# Altium PCB 主控板20160428.PcbDoc (part 4 of 4) (continued)
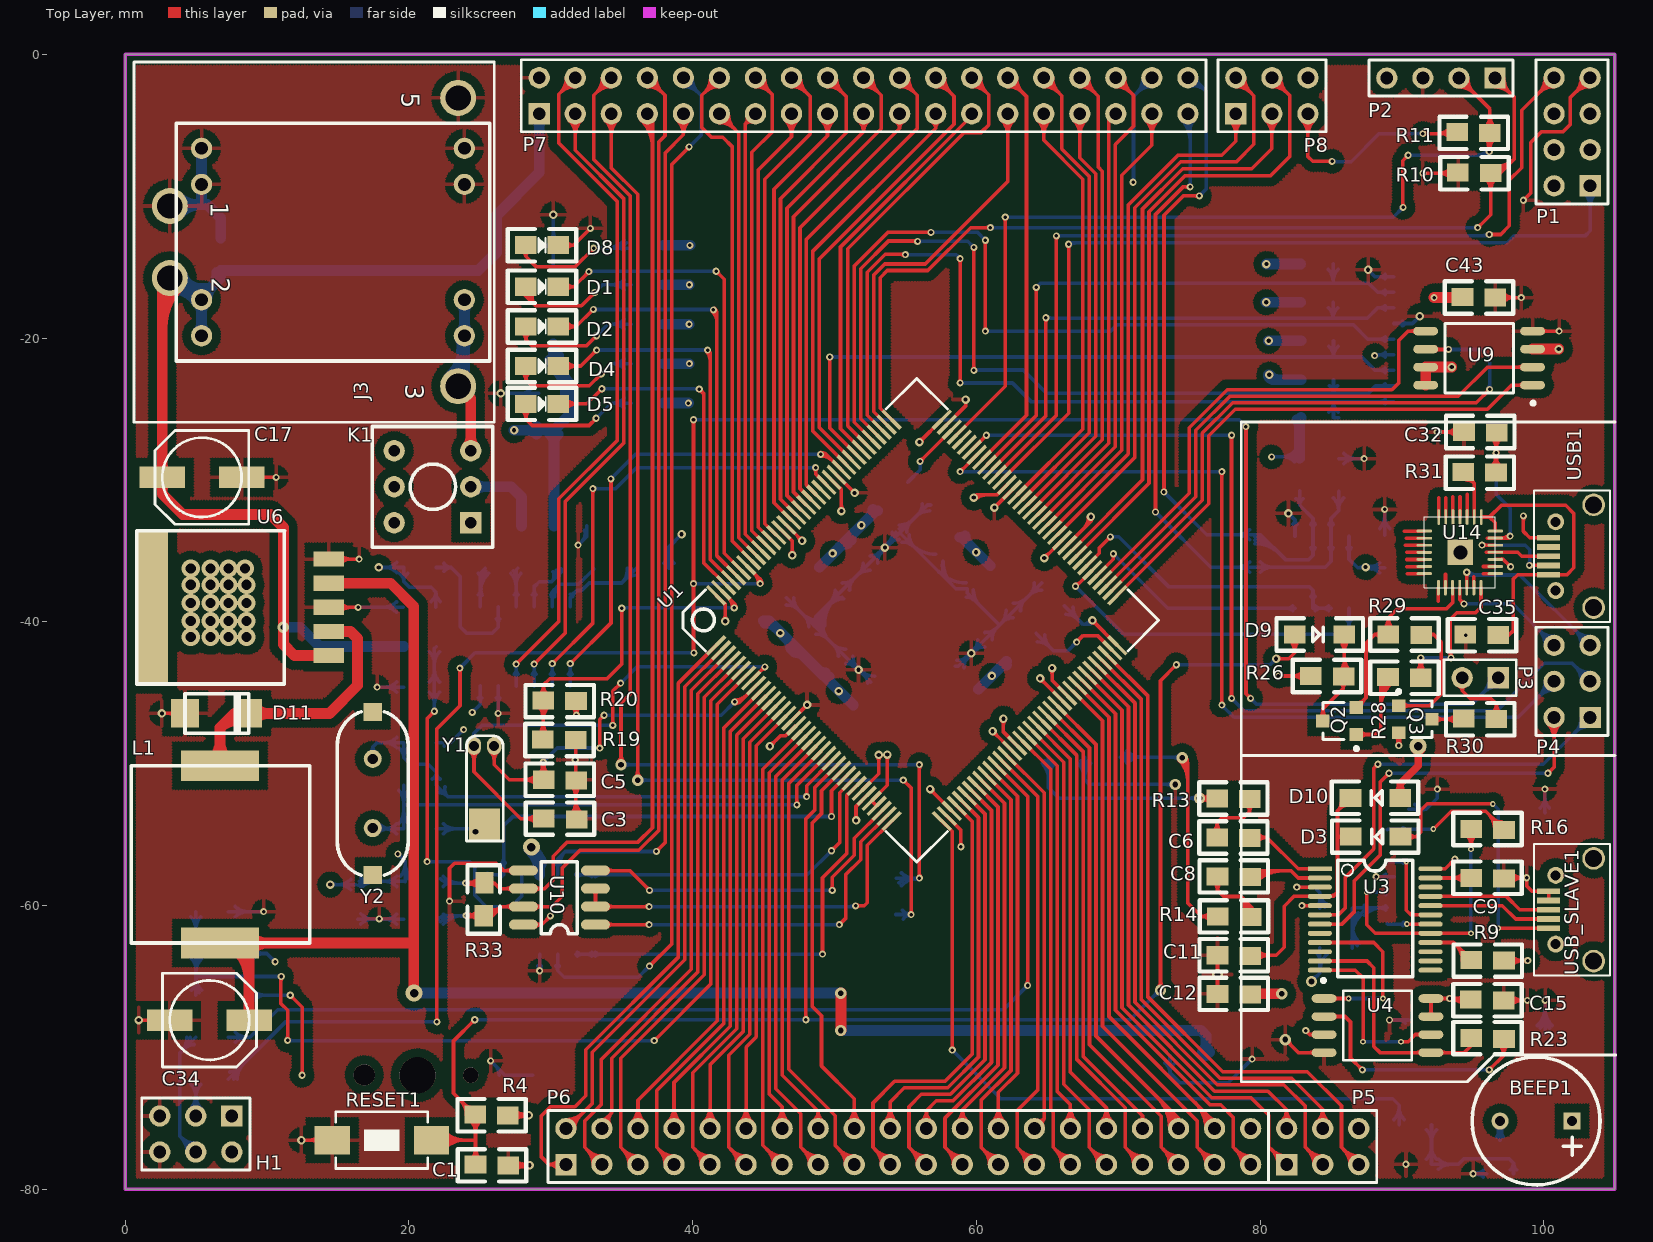
[diagram p0: Top Layer view]
## Nets (pads, with @x,y where several pads share a name; then routed paths per layer and width w, separated by ;. In a path a pad name is that pad's centre, name@x,y a point inside that pad or via, vN(x,y) a via of type N, cw(c..) or ccw(c..) an arc to the next point about the centre after c; other vN are vias at no path point) (continued)
USB+: U3.21 USB_SLAVE1.3 | length 8.7
  Top Layer w0.254: U3.21@92.001,-59.354 96.692,-59.354 97.352,-59.354 98.291,-60.292 USB_SLAVE1.3@100.322,-60.292
USB-: U3.20 USB_SLAVE1.2 | length 8.7
  Top Layer w0.254: U3.20@92.001,-60.004 97.063,-60.004 98.001,-60.942 USB_SLAVE1.2@100.322,-60.942
V33: C12.1 C15.1 R9.2 R15.2 U3.3 U4.3 U4.7 U4.8 | length 26.5
  Top Layer w0.254: v1@82.575,-58.704 U3.3@84.201,-58.704 ; v1@82.662,-58.786 cw(c82.861,-58.985) 82.861,-58.704 ; v1@82.662,-58.612 ccw(c82.883,-58.391) 82.883,-58.704 ; v1@83.185,-68.783 83.49,-69.088 U4.3@84.497,-69.088 ; v1@83.21,-68.932 cw(c83.21,-69.229) 83.42,-69.019 cw(c83.63,-68.809) v1@83.333,-68.809 ; U4.3@83.8,-69.21 ccw(c83.504,-69.506) 83.504,-69.088 ccw(c83.504,-68.67) U4.3@83.8,-68.966 ; U4.7@91.911,-67.696 ccw(c91.615,-67.4) 92.033,-67.4 ccw(c92.451,-67.4) U4.7@92.155,-67.696 ; U4.8@91.911,-66.67 cw(c91.615,-66.966) 92.033,-66.966 cw(c92.451,-66.966) U4.8@92.155,-66.67 ; U4.7@92.033,-67.818 U4.8@92.033,-66.548 94.742,-66.548 C15.1@94.869,-66.675 ; U4.8@92.73,-66.67 cw(c93.026,-66.966) 93.026,-66.548 cw(c93.026,-66.13) U4.8@92.73,-66.426 ; v1@93.209,-66.548 cw(c93.209,-68.208) C15.1@94.383,-67.034 ; v1@93.258,-66.635 ccw(c93.048,-66.845) 93.048,-66.548 ccw(c93.048,-66.251) v1@93.258,-66.461 ; v1@93.432,-66.635 cw(c93.642,-66.845) 93.642,-66.548 cw(c93.642,-66.251) v1@93.432,-66.461 ; v1@93.452,-66.487 ccw(c93.813,-66.278) 93.705,-66.681 ; C15.1@94.383,-66.316 cw(c93.822,-65.755) 93.822,-66.548 cw(c93.822,-67.595) C15.1@94.562,-66.855 ; R9.2@97.18,-63.881 v1(98.857,-63.881) ; R9.2@97.667,-64.24 cw(c98.534,-65.107) 98.534,-63.881 cw(c98.534,-62.655) R9.2@97.667,-63.522 ; v1@98.77,-63.968 ccw(c98.56,-64.178) 98.56,-63.881 ccw(c98.56,-63.584) v1@98.77,-63.794
  Top Layer w0.762: C12.1@79.273,-66.218 v4(81.509,-66.218)
  Bottom Layer w0.254: v1(82.575,-58.699) 83.82,-58.699 84.201,-59.08 ; v1@82.662,-58.786 cw(c82.872,-58.996) 82.872,-58.699 cw(c82.872,-58.402) v1@82.662,-58.612 ; R15.2@84.07,-59.966 ccw(c83.755,-59.65) 84.201,-59.65 ; R15.2@84.201,-60.198 84.201,-59.08 ; 84.201,-59.51 ccw(c84.877,-59.51) R15.2@84.552,-60.102 ; R15.2@84.674,-59.88 cw(c85.113,-59.08) 84.201,-59.08
  other v1: 83.21,-68.809 93.345,-66.548
VBAT: C31.2 D6.2 D7.2 U1.6 | length 83.1
  Top Layer w0.254: 10.973,-65.357 cw(c11.356,-65.357) v1@11.085,-65.086 ; v1@10.973,-64.973 10.973,-66.904 11.455,-67.386 v1(11.455,-69.494) ; v1@11.368,-69.407 ccw(c11.158,-69.197) 11.455,-69.197 ccw(c11.752,-69.197) v1@11.542,-69.407 ; v1(37.287,-69.52) 41.279,-65.528 41.279,-45.568 U1.6@43.417,-43.43 ; v1@37.287,-69.397 ccw(c37.287,-69.1) 37.497,-69.31 ccw(c37.707,-69.52) v1@37.41,-69.52
  Bottom Layer w0.254: C31.2@4.619,-60.786 cw(c3.752,-61.653) 4.978,-61.653 cw(c6.205,-61.653) C31.2@5.338,-60.786 ; D7.2@4.675,-65.973 ccw(c3.943,-65.241) 4.978,-65.241 ; D6.2@4.675,-63.739 cw(c3.943,-64.471) 4.978,-64.471 ; D6.2@4.675,-63.02 ccw(c3.943,-62.288) 4.978,-62.288 ; D7.2@4.978,-66.332 C31.2@4.978,-60.427 ; 4.978,-65.584 ccw(c5.783,-65.584) D7.2@5.214,-66.152 ; 4.978,-64.971 ccw(c6.396,-64.971) D7.2@5.394,-65.973 ; 4.978,-64.741 cw(c6.396,-64.741) D6.2@5.394,-63.739 ; 4.978,-64.128 cw(c5.783,-64.128) D6.2@5.214,-63.559 ; 4.978,-62.631 ccw(c5.783,-62.631) D6.2@5.214,-63.2 ; 4.978,-62.018 ccw(c6.396,-62.018) D6.2@5.394,-63.02 ; 5.055,-64.999 v1(10.998,-64.999) ; v1@10.911,-65.086 ccw(c10.701,-65.296) 10.701,-64.999 ccw(c10.701,-64.702) v1@10.911,-64.912 ; v1@11.455,-69.52 v1(37.287,-69.52) ; v1@11.542,-69.407 ccw(c11.814,-69.136) 11.814,-69.52 ; v1@37.2,-69.607 ccw(c36.99,-69.817) 36.99,-69.52 ccw(c36.99,-69.223) v1@37.2,-69.433
VCC: D10.1 J3.3 K1.3 P8.6 U11.4 | length 217.2
  Top Layer w0.508: D10.1@89.596,-52.131 ccw(c88.945,-51.48) 89.865,-51.48 ccw(c90.785,-51.48) D10.1@90.135,-52.131 ; D10.1@89.967,-52.299 D10.1@89.865,-52.4 89.865,-51.41 91.135,-50.14 v6(91.135,-48.768) ; v6@90.891,-49.013 cw(c90.3,-49.603) 91.135,-49.603 cw(c91.971,-49.603) v6@91.38,-49.013
  Top Layer w0.762: J3.3@23.495,-23.292 23.495,-23.393 24.359,-24.257 K1.3@24.359,-27.94 ; K1.3@24.098,-27.679 ccw(c23.468,-27.049) 24.359,-27.049 ccw(c25.249,-27.049) K1.3@24.62,-27.679
  VCC w0.762: J3.3@22.841,-24.022 cw(c21.262,-25.601) 23.495,-25.601 ; 23.495,-25.478 cw(c25.555,-25.478) J3.3@24.098,-24.022 ; J3.3@23.495,-24.13 23.495,-24.917 ; v6(28.626,-55.88) 24.105,-55.88 22.606,-54.381 22.606,-47.193 23.038,-46.761 23.038,-45.085 22.301,-44.348 22.301,-27.229 23.495,-26.035 23.495,-24.917 ; P8.6@83.363,-1.651 85.522,-1.651 86.817,-2.946 86.817,-5.944 ; P8.6@83.624,-1.912 cw(c84.254,-2.542) 84.254,-1.651 cw(c84.254,-0.76) P8.6@83.624,-1.39 ; v6(91.135,-48.768) 91.135,-46.427 89.818,-45.11 89.818,-15.269 86.817,-12.268 86.817,-5.944 ; 23.495,-24.918 cw(c24.383,-24.918) 23.926,-24.156 ccw(c24.383,-24.918) 23.495,-24.918 ; 23.495,-24.918 ccw(c22.657,-24.918) 23.051,-24.178 cw(c22.657,-24.918) 23.495,-24.918 ; 23.495,-24.917 23.52,-24.892 29.642,-24.892 32.588,-27.838 45.085,-27.838 47.828,-25.095 47.828,-9.677 49.835,-7.671 82.474,-7.671 84.201,-5.944 86.817,-5.944
  Bottom Layer w0.762: J3.3@22.841,-22.765 ccw(c20.263,-20.187) J3.3@23.909,-20.187 ; J3.3@23.38,-23.304 ccw(c22.103,-22.026) 23.909,-22.026 ; J3.3@23.47,-23.393 23.909,-22.954 J3.3@23.909,-19.837 J3.3@23.909,-17.297 ; J3.3@23.589,-20.022 cw(c22.55,-20.622) 23.709,-20.932 ; J3.3@23.648,-20.098 cw(c23.018,-20.728) 23.909,-20.728 cw(c24.8,-20.728) J3.3@24.17,-20.098 ; J3.3@23.648,-19.576 ccw(c23.018,-18.947) 23.909,-18.947 ccw(c24.8,-18.947) J3.3@24.17,-19.576 ; J3.3@23.648,-17.558 cw(c23.018,-18.188) 23.909,-18.188 cw(c24.8,-18.188) J3.3@24.17,-17.558 ; v6@28.471,-56.035 cw(c26.687,-57.819) U11.4@29.21,-57.819 ; v6@28.569,-56.092 cw(c28.396,-56.739) 28.976,-56.404 ; v6@28.583,-56.095 cw(c28.429,-56.86) U11.4@29.21,-56.86 ; v6@28.702,-56.159 29.21,-56.667 ; v6@28.845,-55.88 ccw(c29.864,-55.88) 29.143,-56.601 ; 29.017,-56.474 cw(c28.366,-57.125) U11.4@29.286,-57.125 ; U11.4@29.21,-57.836 29.21,-56.667 ; U11.4@29.276,-57.162 ccw(c28.919,-56.958) 29.21,-56.667
VCC3.3: BEEP1.1 C19.2 C20.2 C21.2 C22.2 C23.2 C24.2 C25.2 C26.2 C27.2 C28.2 C29.2 C30.2 C36.2 C38.1 C39.2 C40.2 C43.1 C44.1 C45.1 D6.1 H1.1 H1.2 J1.4 P1.5 P1.7 P2.4 P7.36 P8.5 Q3.1 R3.2 R4.2 R5.2 R6.2 R7.2 R8.2 R11.1 R17.2 R18.2 R20.2 R21.2 R22.2 R25.1 R26.2 R32.2 R37.2 U1.17 U1.30 U1.32 U1.33 U1.39 U1.52 U1.62 U1.72 U1.84 U1.95 U1.108 U1.121 U1.131 U1.144 U7.16 U8.2 U8.4 U9.3 U9.7 U9.8 U10.8 U12.8 | length 238.7
  Top Layer w0.254: R4.2@26.975,-74.778 v2(28.448,-74.778) ; R4.2@27.461,-75.137 cw(c28.328,-76.004) 28.328,-74.778 cw(c28.328,-73.551) R4.2@27.461,-74.418 ; 27.964,-74.875 cw(c28.1,-75.381) v2@28.362,-74.927 ; 27.964,-74.68 ccw(c28.1,-74.174) v2@28.362,-74.628 ; U10.8@28.067,-61.341 29.362,-61.341 v1(29.972,-60.731) ; 28.109,-74.836 ccw(c28.028,-74.535) v2@28.298,-74.691 ; 28.109,-74.719 cw(c28.028,-75.02) v2@28.298,-74.864 ; v2@28.326,-74.9 ccw(c28.03,-75.195) 28.03,-74.778 ccw(c28.03,-74.36) v2@28.326,-74.655 ; U10.8@28.889,-61.503 cw(c29.279,-61.893) 29.279,-61.341 cw(c29.279,-60.789) U10.8@28.889,-61.179 ; v1@29.849,-60.731 cw(c29.552,-60.731) 29.762,-60.941 cw(c29.972,-61.151) v1@29.972,-60.854 ; R20.2@31.488,-46.012 cw(c31.113,-46.558) v1@31.775,-46.558 ; v1@31.694,-46.522 ccw(c31.49,-46.404) 31.718,-46.343 ; 31.695,-46.26 ccw(c32.041,-46.167) v1@31.862,-46.477 ; R20.2@31.775,-46.225 ccw(c32.159,-46.225) v1@31.888,-46.497 ; R20.2@31.775,-45.593 v1@31.775,-46.558 ; v1(31.801,-46.584) v1@31.775,-46.558 ; 31.85,-46.279 ccw(c32.102,-46.346) v1@31.897,-46.507 ; R20.2@32.063,-46.012 ccw(c32.438,-46.558) v1@31.775,-46.558 ; U1.144@41.649,-38.126 42.291,-38.768 v2(42.291,-39.954) ; v2@42.169,-39.832 ccw(c41.873,-39.537) 42.291,-39.537 ccw(c42.709,-39.537) v2@42.413,-39.832 ; 42.291,-38.903 ccw(c41.966,-38.903) 42.196,-38.673 cw(c42.148,-38.808) 42.291,-38.808 ; v2(45.441,-48.768) 46.187,-48.022 46.543,-48.022 47.246,-47.319 U1.17@47.306,-47.319 ; v2@45.441,-48.595 ccw(c45.441,-48.177) 45.736,-48.473 ccw(c46.031,-48.768) v2@45.614,-48.768 ; U1.131@46.245,-33.53 47.015,-34.3 v2(47.015,-35.306) ; v2@46.893,-35.184 ccw(c46.598,-34.888) 47.015,-34.888 ccw(c47.433,-34.888) v2@47.138,-35.184 ; U1.121@49.781,-29.995 50.484,-30.698 v2(50.484,-32.196) v2@50.495,-32.207 ; U1.121@50.327,-30.541 cw(c50.249,-30.762) 50.484,-30.762 ; v2@50.361,-32.073 ccw(c50.066,-31.778) 50.484,-31.778 ccw(c50.901,-31.778) v2@50.606,-32.073 ; U1.30@51.902,-51.915 53.111,-50.706 v2(53.111,-49.378) ; U1.33@52.963,-52.976 U1.32@52.609,-52.622 53.721,-51.51 v2(53.721,-49.352) ; v2@52.989,-49.5 cw(c52.694,-49.795) 53.111,-49.795 cw(c53.529,-49.795) v2@53.234,-49.5 ; v2@53.599,-49.475 cw(c53.303,-49.77) 53.721,-49.77 cw(c54.139,-49.77) v2@53.843,-49.475 ; v2(55.981,-27.33) U1.108@57.559,-25.752 ; v2@55.981,-27.157 ccw(c55.981,-26.74) 56.276,-27.035 ccw(c56.571,-27.33) v2@56.154,-27.33 ; v2@56.693,-51.756 v2(56.728,-51.791) U1.39@58.266,-53.329 ; v2@56.728,-51.964 cw(c56.728,-52.381) 57.023,-52.086 cw(c57.318,-51.791) v2@56.901,-51.791 ; v2@59.76,-31.185 cw(c60.082,-31.507) 60.082,-31.051 ; v2(59.817,-31.242) 60.008,-31.051 61.452,-31.051 U1.95@62.155,-30.348 ; v2@59.939,-31.364 cw(c60.696,-32.121) 60.696,-31.051 ; v2@61.777,-46.96 cw(c61.482,-47.255) 61.9,-47.255 cw(c62.317,-47.255) v2@62.022,-46.96 ; v2(61.9,-46.838) 61.9,-47.77 U1.52@62.862,-48.733 ; v2(64.772,-35.509) U1.84@66.044,-34.237 ; v2@64.772,-35.336 ccw(c64.772,-34.919) 65.068,-35.214 ccw(c65.363,-35.509) v2@64.945,-35.509 ; v2@65.206,-43.379 cw(c64.911,-43.674) 65.329,-43.674 cw(c65.746,-43.674) v2@65.451,-43.379 ; v2(65.329,-43.256) 65.329,-44.128 U1.62@66.398,-45.197 ; v2@68.174,-40.075 cw(c68.174,-40.493) 68.469,-40.197 cw(c68.764,-39.902) v2@68.347,-39.902 ; v2(68.174,-39.902) U1.72@69.933,-41.662 ; v1(81.28,-43.815) R26.2@83.566,-43.815 ; v1@81.367,-43.902 cw(c81.577,-44.112) 81.577,-43.815 cw(c81.577,-43.518) v1@81.367,-43.728 ; P8.5@82.922,-4.632 cw(c81.859,-5.695) 83.363,-5.695 cw(c84.867,-5.695) P8.5@83.803,-4.632 ; R26.2@83.08,-44.174 ccw(c82.213,-45.041) 82.213,-43.815 ccw(c82.213,-42.589) R26.2@83.08,-43.456 ; P8.5@83.102,-4.452 cw(c82.472,-5.082) 83.363,-5.082 cw(c84.254,-5.082) P8.5@83.624,-4.452 ; P8.5@83.363,-4.191 83.363,-7.214 83.693,-7.544 v1(85.065,-7.544) ; v1@84.978,-7.631 ccw(c84.768,-7.841) 84.768,-7.544 ccw(c84.768,-7.247) v1@84.978,-7.457 ; Q3.1@89.436,-47.813 Q3.1@89.757,-47.813 Q3.1@89.798,-47.854 ; Q3.1@89.529,-48.041 cw(c88.961,-48.609) v1@89.764,-48.609 ; v1@89.657,-48.656 ccw(c89.317,-48.459) 89.696,-48.358 ; v1@89.677,-48.63 ccw(c89.467,-48.42) 89.764,-48.42 ccw(c90.061,-48.42) v1@89.851,-48.63 ; v1@89.764,-48.709 Q3.1@89.764,-47.854 ; v1@89.764,-48.577 cw(c90.521,-48.577) Q3.1@89.985,-48.041 ; 89.828,-48.336 ccw(c90.235,-48.445) v1@89.87,-48.656 ; v1(91.465,-5.588) 93.853,-5.588 R11.1@93.904,-5.537 ; v1@91.552,-5.675 cw(c91.762,-5.885) 91.762,-5.588 cw(c91.762,-5.291) v1@91.552,-5.501 ; 92.428,-5.588 ccw(c92.428,-4.188) R11.1@93.418,-5.178 ; 92.673,-5.588 cw(c92.673,-6.641) R11.1@93.418,-5.896 ; 93.041,-5.588 ccw(c93.041,-4.801) R11.1@93.597,-5.358
  Top Layer w0.762: U9.8@91.66,-23.317 U9.7@91.66,-22.047 v2(93.497,-22.047) ; v1(92.253,-17.145) C43.1@94.285,-17.145 ; U9.3@99.196,-20.777 v2(101.041,-20.777)
  Bottom Layer w0.254: D6.1@8.534,-63.379 9.989,-63.379 v1(10.566,-63.957) ; D6.1@9.021,-63.739 cw(c9.888,-64.606) 9.888,-63.379 cw(c9.888,-62.153) D6.1@9.021,-63.02 ; v1@10.443,-63.957 ccw(c10.146,-63.957) 10.356,-63.747 ccw(c10.566,-63.537) v1@10.566,-63.834 ; v2(14.453,-58.522) C44.1@16.256,-58.522 ; v2@14.575,-58.644 cw(c14.87,-58.939) 14.87,-58.522 cw(c14.87,-58.104) v2@14.575,-58.399 ; C44.1@15.897,-58.881 ccw(c15.03,-59.748) 15.03,-58.522 ccw(c15.03,-57.295) C44.1@15.897,-58.162 ; C44.1@16.436,-58.574 cw(c17.114,-59.253) 17.114,-58.293 ; C44.1@16.485,-58.293 R32.2@19.634,-58.293 ; C44.1@16.615,-58.754 cw(c17.728,-59.866) 17.728,-58.293 ; C44.1@16.615,-58.035 ccw(c17.237,-57.413) 17.237,-58.293 ; v2(17.882,-36.17) C39.2@19.634,-36.17 19.634,-37.16 ; v2@18.004,-36.292 cw(c18.299,-36.587) 18.299,-36.17 cw(c18.299,-35.752) v2@18.004,-36.047 ; R32.2@19.148,-58.652 ccw(c18.281,-59.519) 18.281,-58.293 ccw(c18.281,-57.067) R32.2@19.148,-57.934 ; C39.2@19.148,-36.529 ccw(c18.281,-37.396) 18.281,-36.17 ccw(c18.281,-34.943) C39.2@19.148,-35.81 ; v1@19.228,-56.486 cw(c19.228,-56.783) 19.438,-56.573 cw(c19.648,-56.363) v1@19.351,-56.363 ; v1(19.228,-56.363) 19.736,-56.871 R32.2@19.736,-58.318 ; C39.2@19.338,-36.582 cw(c18.922,-37.16) 19.634,-37.16 ; R32.2@19.402,-57.934 ccw(c18.596,-57.128) 19.736,-57.128 ; 19.736,-57.618 ccw(c20.436,-57.618) R32.2@19.941,-58.113 ; 19.736,-57.005 ccw(c21.049,-57.005) R32.2@20.12,-57.934 ; C39.2@19.931,-36.582 ccw(c20.346,-37.16) 19.634,-37.16 ; C36.2@21.575,-38.569 ccw(c21.029,-37.897) 21.895,-37.897 ; C36.2@21.895,-38.964 21.895,-37.897 ; C36.2@22.215,-38.569 cw(c22.761,-37.897) 21.895,-37.897 ; v1(24.46,-46.38) 25.019,-45.822 U7.16@25.019,-44.526 ; v1@24.46,-46.257 ccw(c24.46,-45.96) 24.67,-46.17 ccw(c24.88,-46.38) v1@24.583,-46.38 ; U7.16@24.893,-45.363 cw(c24.59,-45.667) 25.019,-45.667 cw(c25.448,-45.667) U7.16@25.145,-45.363 ; C24.2@66.209,-38.878 67.513,-40.183 ; C24.2@66.298,-39.476 cw(c66.298,-40.702) 67.166,-39.835 cw(c68.033,-38.968) C24.2@66.806,-38.968 ; 67.883,-40.183 ccw(c67.883,-39.79) v2@68.249,-39.931 ; v2@68.012,-39.84 cw(c67.513,-39.648) 67.513,-40.183 ; v2(68.174,-39.902) 67.893,-40.183 67.513,-40.183 ; v1@70.957,-8.93 ccw(c70.686,-8.659) 71.069,-8.659 ; v1@71.069,-9.017 71.069,-2.946 P7.36@72.365,-1.651 ; P7.36@71.742,-1.651 cw(c70.238,-1.651) 71.301,-2.715 cw(c72.365,-3.778) P7.36@72.365,-2.274 ; P7.36@71.996,-1.651 cw(c71.105,-1.651) 71.735,-2.281 cw(c72.365,-2.911) P7.36@72.365,-2.02 ; v1(80.797,-28.372) R37.2@82.677,-28.372 ; v1@80.884,-28.459 cw(c81.094,-28.669) 81.094,-28.372 cw(c81.094,-28.075) v1@80.884,-28.285 ; 81.491,-28.372 ccw(c81.491,-27.059) R37.2@82.419,-27.987 ; 81.613,-28.372 cw(c81.613,-29.512) R37.2@82.419,-28.706 ; 82.104,-28.372 ccw(c82.104,-27.672) R37.2@82.599,-28.167 ; v1@85.065,-7.569 86.411,-7.569 88.392,-5.588 v1(91.465,-5.588) ; v1@85.152,-7.457 ccw(c85.423,-7.186) 85.423,-7.569 ; U12.8@86.097,-34.782 cw(c85.707,-35.172) 86.258,-35.172 cw(c86.81,-35.172) U12.8@86.42,-34.782 ; U12.8@86.258,-33.96 86.258,-35.585 86.868,-36.195 C45.1@88.773,-36.195 ; 86.887,-36.195 ccw(c86.887,-35.604) v2@87.304,-36.022 ; v2@87.513,-36.294 cw(c87.691,-36.602) 87.783,-36.258 ; v2@87.515,-35.996 ccw(c87.855,-35.427) 88.026,-36.067 ; v2@87.549,-36.022 ccw(c87.967,-35.604) 87.967,-36.195 ; v2@87.577,-36.058 ccw(c87.992,-35.818) 87.868,-36.281 ; v1@88.149,-21.321 cw(c88.502,-21.675) 88.502,-21.175 ; v1@88.158,-21.139 88.194,-21.175 J1.4@89.424,-21.175 ; C45.1@88.414,-36.554 ccw(c87.547,-37.421) 87.547,-36.195 ccw(c87.547,-34.969) C45.1@88.414,-35.836 ; J1.4@88.816,-21.333 ccw(c88.435,-21.713) 88.435,-21.175 ccw(c88.435,-20.637) J1.4@88.816,-21.017 ; v1@91.378,-5.675 ccw(c91.168,-5.885) 91.168,-5.588 ccw(c91.168,-5.291) v1@91.378,-5.501 ; 19.634,-37.16 20.041,-37.567 21.565,-37.567 21.895,-37.897
  Bottom Layer w0.762: v2(27.41,-26.495) U8.4@30.226,-26.495 ; U8.4@28.997,-26.774 ccw(c28.325,-27.447) 28.325,-26.495 ccw(c28.325,-25.544) U8.4@28.997,-26.217 ; C38.1@29.935,-21.527 cw(c29.49,-22.047) 30.175,-22.047 ; U8.4@29.947,-26.774 cw(c29.275,-27.447) 30.226,-27.447 cw(c31.177,-27.447) U8.4@30.505,-26.774 ; C38.1@30.175,-20.396 30.175,-22.047 ; U8.2@30.226,-33.245 U8.4@30.226,-26.495 ; 30.338,-22.21 cw(c28.647,-23.901) C40.2@31.039,-23.901 ; C38.1@30.415,-21.527 ccw(c30.86,-22.047) 30.175,-22.047 ; C38.1@30.544,-21.246 ccw(c33.369,-21.246) 31.372,-23.244 ; R22.2@37.948,-24.587 v1(39.7,-24.587) ; R21.2@37.948,-21.806 v1(39.764,-21.806) ; R18.2@37.948,-19.025 v1(39.751,-19.025) ; R17.2@37.948,-16.243 v1(39.764,-16.243) ; R25.1@37.948,-13.462 v1(39.802,-13.462) ; C30.2@44.993,-39.92 45.374,-39.92 47.253,-41.799 C21.2@51.317,-45.863 ; C30.2@45.082,-40.084 cw(c45.082,-41.183) 45.86,-40.406 ; 46.607,-41.153 cw(c45.873,-41.887) C19.2@46.911,-41.887 ; C19.2@47.165,-42.141 cw(c47.165,-43.179) 47.899,-42.445 ; 48.87,-43.416 ccw(c49.35,-42.936) C20.2@49.35,-43.614 ; C29.2@48.93,-36.153 52.917,-32.166 C27.2@53.044,-32.166 ; C20.2@49.604,-43.868 ccw(c50.282,-43.868) 49.802,-44.348 ; 50.347,-34.736 cw(c50.911,-35.3) C28.2@50.911,-34.502 ; C28.2@51.165,-34.248 cw(c51.962,-34.248) 51.398,-33.685 ; 52.484,-32.599 ccw(c51.96,-32.076) C27.2@52.701,-32.076 ; C26.2@58.843,-34.045 58.97,-34.045 C25.2@60.976,-36.052 ; C26.2@59.186,-33.955 ccw(c59.927,-33.955) 59.403,-34.479 ; C22.2@60.138,-44.746 62.094,-42.79 C23.2@62.119,-42.79 ; 61.642,-43.241 cw(c62.119,-43.718) C23.2@62.119,-43.044 ; v2(80.416,-17.475) R3.2@82.855,-17.475 ; v2(80.442,-14.783) R5.2@82.855,-14.783 ; v2@80.567,-22.601 ccw(c81.001,-22.488) 81.001,-22.936 ; v2@80.588,-22.638 ccw(c81.308,-21.918) 81.308,-22.936 ; v2(80.594,-20.193) R8.2@82.88,-20.193 ; v2(80.645,-22.581) 81.001,-22.936 ; R6.2@82.574,-25.783 cw(c82.079,-26.278) 82.779,-26.278 ; R37.2@82.779,-28.473 82.779,-25.705 R6.2@82.88,-25.603 ; R7.2@82.88,-22.936 81.001,-22.936 ; 30.175,-22.047 31.42,-23.292 C40.2@31.42,-23.901 31.42,-25.302 U8.4@30.226,-26.495
  other v1: 89.764,-48.717 88.062,-21.234 71.044,-9.017
  other v2: 50.292,-44.882 61.087,-43.815 46.177,-40.792 87.427,-36.144 49.86,-35.179 59.969,-35.103 51.892,-33.198
VCC12: C34.1 L1.2 U5.5 U6.4 | length 122.9
  Top Layer w0.762: L1.2@7.858,-63.134 cw(c5.733,-65.259) 8.738,-65.259 ; C34.1@8.477,-67.811 ccw(c7.847,-67.181) 8.738,-67.181 ccw(c9.628,-67.181) C34.1@8.999,-67.811 ; C34.1@8.738,-68.072 8.738,-62.799 L1.2@8.578,-62.64 ; L1.2@8.846,-63.134 cw(c10.039,-64.327) 10.039,-62.64 cw(c10.039,-60.952) L1.2@8.846,-62.145 ; U6.4@14.343,-37.279 18.711,-37.279 20.345,-38.913 20.345,-66.142 v6(20.371,-66.167) ; 20.317,-62.64 L1.2@8.578,-62.64 ; v4(50.444,-68.809) v4(50.444,-66.167) ; L1.2@8.578,-62.64 L1.2@6.682,-62.64 6.776,-62.545 8.484,-62.545 L1.2@8.578,-62.64
  Bottom Layer w0.762: v6(20.371,-66.167) v4(50.444,-66.167) ; v4(50.444,-68.809) 75.819,-68.809 76.18,-69.169 U5.5@76.18,-70.581 ; U5.5@75.919,-70.32 ccw(c75.289,-69.69) 76.18,-69.69 ccw(c77.071,-69.69) U5.5@76.441,-70.32
VCC24: C17.1 C18.2 J3.2 P7.1 R35.2 U6.1 | length 107.4
  Top Layer w0.762: C17.1@2.355,-30.081 cw(c1.725,-30.71) 2.616,-30.71 cw(c3.507,-30.71) C17.1@2.877,-30.081 ; C17.1@2.355,-29.559 ccw(c1.725,-28.929) 2.616,-28.929 ccw(c3.507,-28.929) C17.1@2.877,-29.559 ; 2.616,-19.207 cw(c6.584,-19.207) J3.2@3.778,-16.402 ; 2.616,-17.368 cw(c4.744,-17.368) J3.2@3.239,-15.863 ; J3.2@3.048,-16.637 J3.2@3.175,-16.51 ; J3.2@3.175,-15.672 2.616,-16.231 C17.1@2.616,-29.82 2.616,-30.988 4.064,-32.436 10.236,-32.436 11.151,-33.35 11.151,-41.605 11.924,-42.379 U6.1@14.343,-42.379
  Bottom Layer w0.762: J3.2@3.271,-15.736 ccw(c4.324,-15.407) 4.324,-16.51 ; J3.2@3.998,-15.509 ccw(c5.359,-15.084) 5.359,-16.51 ; 4.631,-16.51 cw(c4.631,-17.82) J3.2@5.708,-17.073 ; J3.2@5.082,-17.508 ccw(c3.175,-18.83) 3.175,-16.51 5.359,-16.51 ; J3.2@5.124,-19.576 ccw(c4.494,-18.947) 5.385,-18.947 ccw(c6.276,-18.947) J3.2@5.646,-19.576 ; J3.2@5.124,-17.558 cw(c4.494,-18.188) 5.385,-18.188 cw(c6.276,-18.188) J3.2@5.646,-17.558 ; J3.2@5.156,-17.008 ccw(c4.783,-16.535) 5.385,-16.535 ; J3.2@5.385,-19.837 J3.2@5.385,-17.297 5.385,-16.535 ; J3.2@5.614,-17.008 cw(c5.987,-16.535) 5.385,-16.535 ; J3.2@5.75,-17.245 cw(c6.606,-17.121) 5.994,-16.51 ; J3.2@5.754,-17.297 cw(c7.074,-17.297) 6.14,-16.364 ; 6.01,-16.494 ccw(c4.883,-15.367) C18.2@6.477,-15.367 ; v4(11.151,-40.386) 12.344,-40.386 13.708,-41.749 R35.2@19.634,-41.749 ; P7.1@28.924,-4.452 cw(c28.294,-5.082) 29.185,-5.082 cw(c30.075,-5.082) P7.1@29.446,-4.452 ; P7.1@29.185,-4.191 29.185,-8.331 26.162,-11.354 26.162,-13.97 24.892,-15.24 C18.2@6.731,-15.24 6.731,-15.773 5.994,-16.51 ; 5.359,-16.51 5.994,-16.51 ; 5.359,-16.51 5.385,-16.535
VDD: C32.1 R31.2 U14.6 | length 18.8
  Top Layer w0.254: 96.012,-34.101 U14.6@96.571,-34.101 97.471,-34.101 v1(97.612,-33.96) ; R31.2@96.262,-29.13 ccw(c95.395,-28.263) 96.622,-28.263 ccw(c97.848,-28.263) R31.2@96.981,-29.13 ; C32.1@96.288,-26.978 cw(c95.482,-27.784) 96.622,-27.784 ; v1@96.515,-28.154 cw(c96.127,-28.378) 96.56,-28.494 ; v1@96.535,-28.179 cw(c96.325,-28.389) 96.622,-28.389 cw(c96.919,-28.389) v1@96.709,-28.179 ; v1@96.535,-28.005 ccw(c96.325,-27.795) 96.622,-27.795 ccw(c96.919,-27.795) v1@96.709,-28.005 ; R31.2@96.622,-29.489 v1(96.622,-28.092) 96.622,-26.645 C32.1@96.647,-26.619 ; v1@96.622,-27.907 cw(c97.935,-27.907) C32.1@97.006,-26.978 ; C32.1@96.622,-27.294 cw(c97.322,-27.294) C32.1@96.827,-26.799 ; 96.682,-27.681 ccw(c97.127,-27.8) v1@96.728,-28.031 ; 96.683,-28.494 cw(c97.116,-28.378) v1@96.728,-28.154 ; U14.6@96.973,-34.101 ccw(c96.973,-33.321) v1@97.525,-33.873
  Bottom Layer w0.254: v1@96.535,-28.179 cw(c96.325,-28.389) 96.622,-28.389 cw(c96.919,-28.389) v1@96.709,-28.179 ; v1(96.622,-28.092) 96.622,-31.013 97.612,-32.004 v1(97.612,-33.96) ; v1@97.525,-33.873 ccw(c97.315,-33.663) 97.612,-33.663 ccw(c97.909,-33.663) v1@97.699,-33.873
VMCU: C11.1 D3.2 D10.2 U3.4 | length 23.2
  Top Layer w0.254: C11.1@79.273,-63.5 81.128,-63.5 81.686,-62.941 81.686,-60.04 82.372,-59.354 U3.4@84.201,-59.354 85.147,-59.354 85.446,-59.055 85.446,-55.093 ; C11.1@79.76,-63.859 cw(c80.627,-64.726) 80.627,-63.5 cw(c80.627,-62.274) C11.1@79.76,-63.141 ; U3.4@84.876,-59.306 ccw(c84.876,-58.537) 85.42,-59.081 ; 85.588,-53.178 cw(c86.238,-53.828) D10.2@86.238,-52.908 ; D10.2@85.735,-52.467 cw(c84.727,-52.601) 85.446,-53.32 ; D3.2@85.796,-55.342 ccw(c85.496,-55.469) 85.496,-55.143 ; D3.2@85.796,-54.945 cw(c85.496,-54.818) 85.496,-55.143 ; D10.2@85.809,-52.956 ccw(c85.369,-52.516) D10.2@85.986,-52.434 ; D10.2@86.365,-52.4 85.446,-53.32 ; D3.2@86.391,-55.143 85.496,-55.143 ; 85.446,-55.093 85.446,-53.32 ; 85.446,-55.093 85.496,-55.143
YY_RXD: P4.2 U3.7 | length 34.5
  Top Layer w0.254: U3.7@84.201,-61.304 85.762,-61.304 86.614,-60.452 86.614,-58.293 88.468,-56.439 88.468,-51.283 v1(89.078,-50.673) ; v1@88.955,-50.673 cw(c88.658,-50.673) 88.868,-50.883 cw(c89.078,-51.093) v1@89.078,-50.796 ; P4.2@100.27,-47.177 cw(c99.207,-48.24) 100.711,-48.24 cw(c102.215,-48.24) P4.2@101.152,-47.177 ; v1(100.279,-50.673) 100.711,-50.241 P4.2@100.711,-46.736 ; v1@100.279,-50.55 ccw(c100.279,-50.253) 100.489,-50.463 ccw(c100.699,-50.673) v1@100.402,-50.673 ; P4.2@100.45,-46.997 cw(c99.82,-47.627) 100.711,-47.627 cw(c101.602,-47.627) P4.2@100.972,-46.997
  Bottom Layer w0.254: v1(89.078,-50.673) v1(100.279,-50.673) ; v1@89.165,-50.76 cw(c89.375,-50.97) 89.375,-50.673 cw(c89.375,-50.376) v1@89.165,-50.586 ; v1@100.192,-50.76 ccw(c99.982,-50.97) 99.982,-50.673 ccw(c99.982,-50.376) v1@100.192,-50.586
YY_TXD: P4.1 U3.6 | length 34.2
  Top Layer w0.254: U3.6@84.201,-60.654 85.523,-60.654 85.979,-60.198 85.979,-58.039 88.011,-56.007 88.011,-50.317 v1(88.29,-50.038) ; v1@88.167,-50.038 cw(c87.87,-50.038) 88.08,-50.248 cw(c88.29,-50.458) v1@88.29,-50.161
  Bottom Layer w0.254: v1@88.345,-50.093 v1(88.29,-50.038) 99.949,-50.038 P4.1@103.251,-46.736 ; v1@88.377,-50.125 cw(c88.587,-50.335) 88.587,-50.038 cw(c88.587,-49.741) v1@88.377,-49.951 ; P4.1@102.628,-46.736 cw(c101.124,-46.736) 102.187,-47.8 cw(c103.251,-48.863) P4.1@103.251,-47.359 ; P4.1@102.882,-46.736 cw(c101.991,-46.736) 102.621,-47.366 cw(c103.251,-47.996) P4.1@103.251,-47.105
pads on no net: BT1.0 J1.10 J1.11 J1.12 J1.13 J2.1 J2.2 J2.8 K1.1 K1.4 K1.5 K1.6 P1.2 P1.3 P1.6 P5.6 U1.80 U1.123 U3.8 U3.10 U3.13 U3.14 U3.15 U3.22 U6. U7.7 U7.8 U7.9 U7.10 U11.12 U11.13 U11.14 U14.0 U14.1 U14.2 U14.10 U14.11 U14.12 U14.13 U14.14 U14.15 U14.16 U14.17 U14.18 U14.19 U14.20 U14.21 U14.22 U14.23 U14.27 USB1.0 USB1.4 USB_SLAVE1.0 Y1. Y2.
copper on no net: | length 20.4
  Top Layer w0.254: 90.17,-33.604 91.567,-33.604 ; 90.23,-34.604 91.567,-34.604 ; 90.289,-34.104 91.567,-34.104 ; 90.314,-35.104 91.567,-35.104 ; 90.34,-36.104 91.567,-36.104 ; 90.341,-35.604 91.567,-35.604 ; 90.365,-36.604 91.567,-36.604 ; 92.558,-38.532 92.558,-37.592 ; 92.58,-32.614 92.58,-31.259 ; 93.058,-37.592 93.058,-36.635 ; 93.08,-32.614 93.08,-31.259 ; 93.58,-32.614 93.58,-32.008 93.58,-31.172 ; 94.08,-32.614 94.08,-31.862 94.08,-31.19 ; 94.58,-32.614 94.58,-31.715 94.58,-31.029 ; 95.058,-37.592 95.058,-36.827 ; 95.715,-36.101 96.571,-36.101 ; 95.733,-36.601 96.571,-36.601
  other v3: 4.623,-41.072 6.02,-41.072 7.29,-41.072 8.56,-41.072 4.623,-39.929 6.02,-39.929 7.29,-39.929 8.56,-39.929 4.623,-38.659 6.02,-38.659 7.29,-38.659 8.56,-38.659 4.623,-37.389 6.02,-37.389 7.29,-37.389 8.56,-37.389 4.623,-36.246 6.02,-36.246 7.29,-36.246 8.433,-36.246
  other v8: 94.107,-35.103

## Polygon pours and split planes (outlines as drawn)
V33 on VCC "Top Layer-No Net" (hatched 90Degree grid 0.2 track 0.2, remove dead copper, pour order 6): 105,-49.759 79.019,-49.759 78.994,-49.733 78.994,-71.552 78.969,-71.577 93.828,-71.577 95.631,-69.774 95.809,-69.596 105,-69.596 105,-49.759
VCC3.3 on VCC "Top Layer-No Net 1" (hatched 90Degree grid 0.2 track 0.2, remove dead copper, pour order 13): 0,0 105,0 105,-80 0,-80 0,0
GND on Top Layer "Top Layer-No Net 1" (hatched 90Degree grid 0.2 track 0.2, remove dead copper, pour order 7): 0,0 105,0 105,-80 0,-80 0,0
GND on GND "Top Layer-No Net 1" (hatched 90Degree grid 0.2 track 0.2, remove dead copper, pour order 9): 0,0 105,0 105,-80 0,-80 0,0
GND on Bottom Layer "Top Layer-No Net 1" (hatched 90Degree grid 0.2 track 0.2, remove dead copper, pour order 11): 0,0 105,0 105,-80 0,-80 0,0

## Keep-outs
Keep-Out Layer:
  the board outline again, w0.254

## Silkscreen, mask and mechanical layers (free items; w line width, h text height)
Top Overlay:
  lines w0.2: 105,-49.428 78.664,-49.428 ; 105,-25.908 79.045,-25.908 78.664,-25.908 78.664,-49.428 ; 105.054,-70.536 96.469,-70.536 95.961,-71.044 94.59,-72.415 78.664,-72.415 78.664,-71.044 78.664,-49.428
Bottom Overlay:
  text "主控板V1.2-20160429" at 20.472,-3.404 h1.52

## Dimensions
0,0 to 105,0 on Top Overlay

## Text inside footprints (layer, text, board x,y; h text height)
J3: Top Overlay "1" at 6.045,-10.414 h1.27 r270; Top Overlay "2" at 6.096,-15.748 h1.27 r270; Top Overlay "3" at 19.761,-23.266 h1.27 r270; Top Overlay "5" at 19.507,-2.718 h1.27 r270